# Altium PCB LimeSDR-PCIe_1v3.PcbDoc (part 6 of 10) (continued)
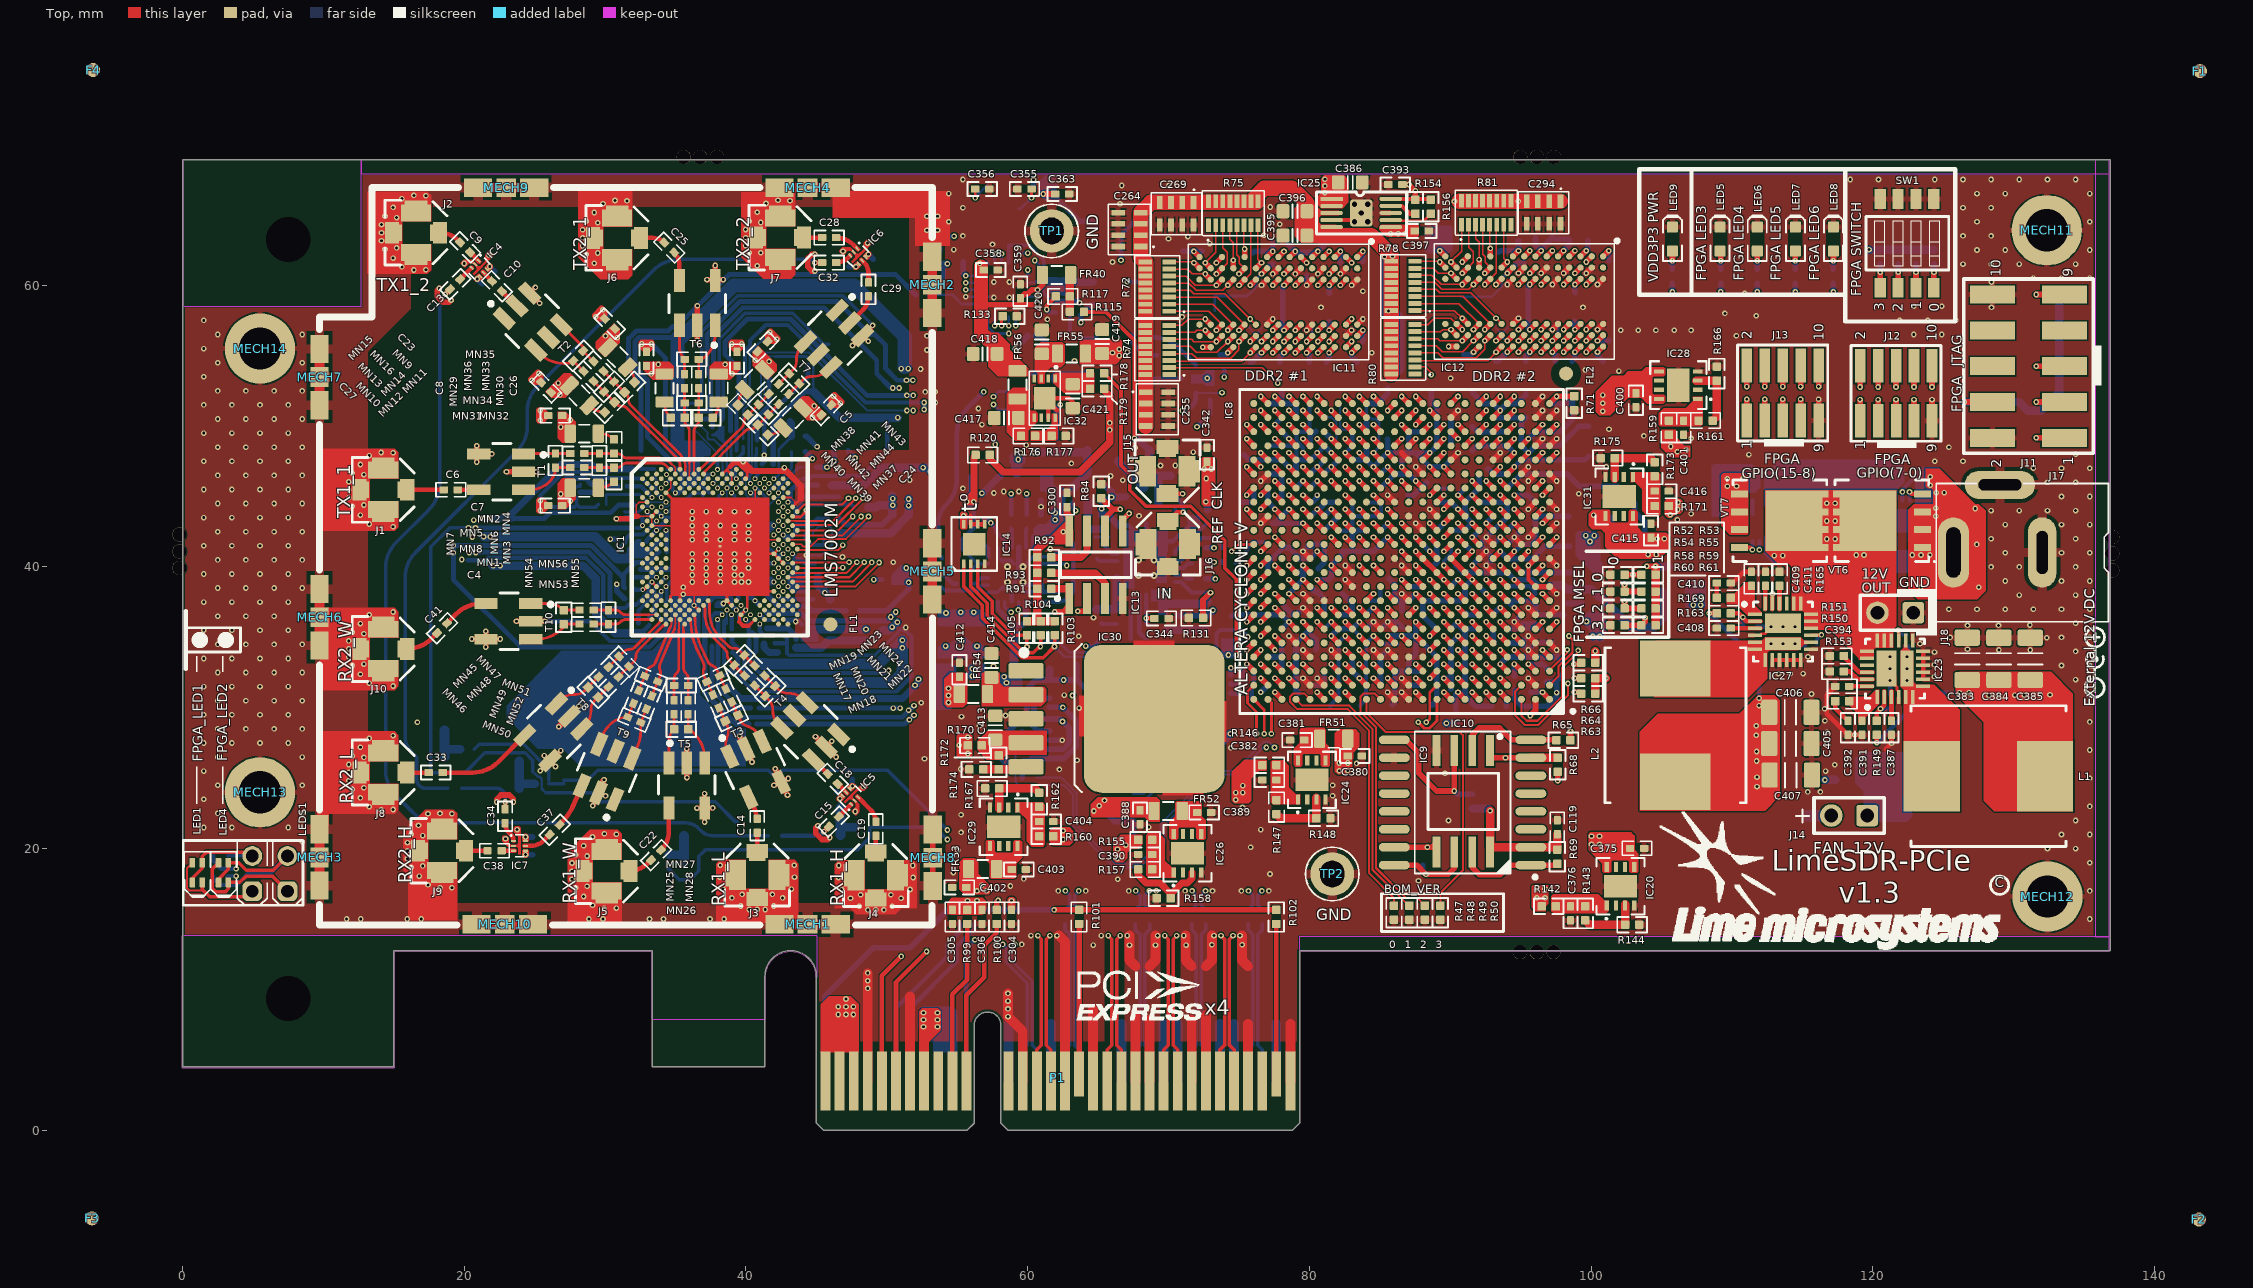
[diagram p0: Top view]
## Nets (pads, with @x,y where several pads share a name; then routed paths per layer and width w, separated by ;. In a path a pad name is that pad's centre, name@x,y a point inside that pad or via, vN(x,y) a via of type N, cw(c..) or ccw(c..) an arc to the next point about the centre after c; other vN are vias at no path point) (continued)
  Bottom w0.4: R2.1@95.725,31.1 v1(96.55,31.1)
LMS_RXEN: IC1.V34 IC8.C2 R4.2 | length 60.3
  Top w0.15: IC1.V34@43.643,41.266 43.643,41.201 46.551,41.201 v1@46.875,41.525
  Top w0.4: v1(95.55,33.1) IC8.C2@96.05,32.6
  L8 w0.1: v1@46.875,41.525 46.925,41.475 51.869,41.475 58.619,34.725 59.078,34.725 64.27,34.725 64.545,34.45 82.695,34.45 86.845,30.3 93.245,30.3 94.9,31.955 94.9,32.45 v1(95.55,33.1)
  Bottom w0.4: v1(95.55,33.1) 96.55,33.1 R4.2@96.825,32.825
  other v1: 46.875,41.55
LMS_TXEN: IC1.U29 IC8.A7 R3.2 | length 59.3
  Top w0.4: v1(90.55,31.1) IC8.A7@91.05,30.6
  L4 w0.1: v2(41.978,41.599) 41.4,41.021 41.4,37.821 42.496,36.725 48.597,36.725 50.172,35.15 57.45,35.15 60.016,32.584 72.516,32.584 74.158,34.225 74.93,34.225 75.38,33.775 76.05,33.775 76.375,33.45 76.75,33.45 77.45,32.75 84.4,32.75 85.4,31.75 89.395,31.75 90.045,31.1 v1(90.55,31.1)
  Bottom w0.4: R3.2@90.4,29.9 90.4,30.95 v1(90.55,31.1)
LMS_TXNRX1: IC1.V32 IC8.C3 R1.1 | length 58.5
  Top w0.4: v1(94.55,33.1) IC8.C3@95.05,32.6
  L4 w0.1: v2(42.977,41.266) 43.186,41.475 44.875,41.475 45.5,42.1 47.775,42.1 47.975,41.9 76.669,41.9 77.044,41.525 78.934,41.525 79.159,41.75 80.819,41.75 81.019,41.55 84.605,41.55 85.405,40.75 88.4,40.75 90.45,38.7 90.728,38.7 91.1,38.328 91.1,36.925 94.55,33.475 v1(94.55,33.1)
  Bottom w0.4: v1(94.55,33.1) 94.55,32.25 R1.1@94.575,32.225
LMS_TXNRX2: IC1.U31 IC8.A4 R10.2 | length 58.3
  Top w0.4: v1(93.55,31.1) IC8.A4@94.05,30.6
  L9 w0.1: v2(42.644,41.599) 44.137,41.599 44.279,41.456 46.144,41.456 46.525,41.075 61.05,41.075 62.35,39.775 72.2,39.775 73.225,38.75 78.95,38.75 79.25,38.45 79.725,38.45 81.425,36.75 86.8,36.75 87.125,36.425 87.72,36.425 91.395,32.75 93.395,32.75 93.9,32.245 93.9,31.45 v1(93.55,31.1)
  Bottom w0.4: v1(93.55,31.1) 93.975,30.675 R10.2@93.975,30.1
MSEL0: IC8.T6 R52.1 R53.2 | length 16.9
  Top w0.4: v1(91.55,46.1) IC8.T6@92.05,45.6 ; R52.1@102.375,39.45 v1(102.975,39.45) R53.2@103.575,39.45
  L4 w0.1: v1(91.55,46.1) 92.05,46.6 96.545,46.6 102.975,40.17 v1(102.975,39.45)
MSEL1: IC8.P5 R54.1 R55.2 | length 15.1
  Top w0.4: v1(92.55,44.1) IC8.P5@93.05,43.6 ; v1(102.375,38.75) R54.1@102.375,38.25 R55.2@103.575,38.25
  L4 w0.1: v1(92.55,44.1) 92.9,44.45 95.554,44.45 97.8,42.204 97.8,41.628 100.678,38.75 v1(102.375,38.75)
MSEL2: IC8.R5 R58.1 R59.2 | length 16.9
  Top w0.4: v1(92.55,45.1) IC8.R5@93.05,44.6 ; v1(102.375,37.55) R58.1@102.375,37.05 R59.2@103.575,37.05
  L4 w0.1: v1(92.55,45.1) 92.9,45.45 95.705,45.45 102.055,39.1 102.52,39.1 102.725,38.895 102.725,38.525 102.375,38.175 v1(102.375,37.55)
MSEL3: IC8.P4 R60.1 R61.2 | length 16
  Top w0.4: v1(93.55,44.1) IC8.P4@94.05,43.6 ; R60.1@102.375,35.85 R61.2@103.575,35.85 103.825,36.1 v1(103.825,36.4)
  L4 w0.1: v1(93.55,44.1) 94.125,44.1 94.475,43.75 95.395,43.75 102.745,36.4 v1(103.825,36.4)
NetC1_1: C1.1 IC1.C29 R6.1 | length 4.6
  Bottom w0.2: v2(41.978,46.261) 42.094,46.376 42.182,46.376 42.324,46.518 42.324,48.331 43.124,49.131 R6.1@43.124,49.206
  Bottom w0.5: C1.1@43.125,50.324 43.225,50.224 R6.1@43.225,49.275
NetC6_1: C6.1 J1.1 | length 2.7
  Top w0.325: J1.1@15.85,45.475 J1.1@15.95,45.475 C6.1@18.55,45.475
NetC6_2: C6.2 T1.4 | length 1.3
  Top w0.325: C6.2@19.55,45.475 T1.4@20.882,45.475
NetC9_1: C9.1 J2.1 | length 1.6
  Top w0.325: J2.1@18.275,63.725 cw(c18.275,61.926) 19.547,63.198 C9.1@19.705,63.04
NetC9_2: C9.2 IC4.1 | length 0.9
  Top w0.325: C9.2@20.412,62.333 IC4.1@21.075,61.67
NetC10_1: C10.1 IC4.5 | length 0.9
  Top w0.325: IC4.5@21.305,60.945 C10.1@21.968,60.282
NetC10_2: C10.2 T2.2 | length 1.9
  Top w0.325: C10.2@22.675,59.575 23.714,58.536 T2.2@23.735,58.536 T2.2@23.424,58.846
NetC13_1: C13.1 IC4.3 | length 1.1
  Top w0.325: C13.1@19.705,60.424 IC4.3@20.518,61.237
NetC13_2: C13.2 R14.1 RA1.1 RA2.2 VT2.2 | length 65.2
  Top w0.325: v1(18.641,59.359) C13.2@18.998,59.717
  Bottom w0.254: v1(18.641,59.359) ccw(c19.584,58.416) 18.25,58.416 18.25,45.877 cw(c15.71,45.877) 17.506,44.081 15.169,41.744 ccw(c16.965,39.948) 14.425,39.948 14.425,25.455 ccw(c16.73,25.455) 15.1,23.825 16.356,22.569 ccw(c18.152,24.365) 18.152,21.825 35.725,21.825 cw(c35.725,20.558) 36.621,21.454 36.843,21.232 ccw(c37.584,21.973) 37.584,20.925 RA1.1@41.574,20.925
NetC14_1: C14.1 J3.1 | length 1.6
  Top w0.325: J3.1@40.8,19.625 C14.1@40.8,21.125 ; J3.1@40.8,19.725 J3.1@40.8,19.825
NetC14_2: C14.2 T3.6 | length 1.7
  Top w0.325: T3.6@40.194,23.658 40.675,22.7 C14.2@40.8,22.125
NetC15_1: C15.1 RA1.2 RA3.2 VT1.2 | length 3.5
  Top w0.325: v1(45.529,21.21) C15.1@45.886,21.568
  Bottom w0.325: RA1.2@42.574,20.925 RA3.2@43.674,20.925 44.84,20.925 ccw(c44.84,21.899) v1(45.529,21.21)
NetC15_2: C15.2 IC5.1 | length 1.2
  Top w0.325: C15.2@46.593,22.275 IC5.1@47.464,23.145
NetC18_1: C18.1 IC5.5 | length 0.9
  Top w0.325: C18.1@46.509,24.595 IC5.5@47.172,23.932
NetC18_2: C18.2 T4.3 | length 1.5
  Top w0.325: T4.3@44.773,26.331 T4.3@44.798,26.306 ; T4.3@44.822,26.281 T4.3@44.798,26.306 ; C18.2@45.802,25.302 T4.3@44.798,26.306
NetC19_1: C19.1 J4.1 | length 1.2
  Top w0.325: J4.1@49.216,19.7 J4.1@49.216,19.8 C19.1@49.216,20.9
NetC19_2: C19.2 IC5.3 | length 2.3
  Top w0.325: IC5.3@47.897,23.702 IC5.3@47.959,23.64 48.875,22.723 cw(c48.052,21.9) C19.2@49.216,21.9
NetC22_1: C22.1 J5.1 | length 1.9
  Top w0.325: J5.1@31.6,18.4 ccw(c31.6,20.512) 33.094,19.019 C22.1@33.263,19.188
NetC22_2: C22.2 T5.6 | length 3.5
  Top w0.325: C22.2@33.97,19.895 ccw(c32.62,21.245) 34.529,21.245 T5.6@34.529,22.893 T5.6@34.529,22.516
NetC25_1: C25.1 J6.1 | length 1.8
  Top w0.325: J6.1@32.45,63.36 33.396,63.36 cw(c33.396,62.228) C25.1@34.196,63.029
NetC25_2: C25.2 T6.4 | length 2.1
  Top w0.325: C25.2@34.904,62.321 cw(c34.008,61.426) 35.274,61.426 T6.4@35.274,60.331
NetC28_1: C28.1 J7.1 | length 1.4
  Top w0.325: J7.1@44.025,63.375 J7.1@44.125,63.375 C28.1@45.4,63.375
NetC28_2: C28.2 IC6.1 | length 1.8
  Top w0.325: C28.2@46.4,63.375 cw(c46.4,61.637) 47.629,62.866 ; 47.635,62.86 47.629,62.866 ; IC6.1@47.956,62.539 47.629,62.866
NetC29_1: C29.1 IC6.5 | length 1.8
  Top w0.325: IC6.5@48.186,61.814 IC6.5@48.247,61.753 48.4,61.6 ; 48.401,61.599 cw(c47.676,60.876) 48.7,60.876 C29.1@48.7,60.2
NetC29_2: C29.2 T7.2 | length 2.4
  Top w0.325: T7.2@47.38,57.324 48.307,58.25 ccw(c47.357,59.2) 48.31,58.254 ccw(c47.357,59.2) C29.2@48.7,59.2
NetC32_1: C32.1 IC6.3 | length 1.2
  Top w0.325: C32.1@46.4,61.6 ccw(c46.4,62.79) 47.241,61.949 IC6.3@47.399,62.106
NetC32_2: C32.2 R17.1 RA4.1 RA5.2 VT4.2 | length 58.2
  Top w0.325: v1(44.894,61.6) C32.2@45.4,61.6
  Bottom w0.254: RA4.1@18.825,24.275 17.275,24.275 cw(c17.275,24.925) 16.625,24.925 VT4.2@16.625,26.475 16.295,26.805 cw(c17.49,28) 15.8,28 15.8,39.223 cw(c18.34,39.223) 16.544,41.019 23.731,48.206 ccw(c21.935,50.002) 24.475,50.002 24.475,51.048 cw(c27.015,51.048) 25.219,52.844 33.459,61.084 cw(c35.255,59.288) 35.255,61.828 44.344,61.828 cw(c44.344,61.05) v1(44.894,61.6)
NetC33_1: C33.1 J8.1 | length 1.6
  Top w0.325: J8.1@15.85,25.4 C33.1@17.475,25.4
NetC33_2: C33.2 T8.6 | length 6.8
  Top w0.325: C33.2@18.475,25.4 20.6,25.4 ccw(c20.6,27.94) 22.396,26.144 T8.6@24.3,28.048
NetC34_1: C34.1 RA4.2 RA6.2 VT3.2 | length 4.3
  Top w0.325: C34.1@22.9,22.8 v1(22.9,23.306)
  Bottom w0.254: RA4.2@19.825,24.275 RA6.2@20.925,24.275 VT3.2@21.925,24.275 22.325,24.275 cw(c22.325,23.7) 22.9,23.7 v1(22.9,23.306)
NetC34_2: C34.2 IC7.1 | length 1.4
  Top w0.325: C34.2@22.9,21.8 ccw(c23.866,21.8) 23.183,21.117 23.323,20.977 cw(c22.896,20.55) IC7.1@23.5,20.55
NetC37_1: C37.1 IC7.5 | length 2.1
  Top w0.325: IC7.5@24.262,20.2 IC7.5@24.35,20.2 24.731,20.2 ccw(c24.731,21.513) 25.659,20.584 C37.1@26.068,20.993
NetC37_2: C37.2 T9.3 | length 3.2
  Top w0.325: C37.2@26.775,21.7 27.375,22.4 27.675,22.9 T9.3@28.356,24.462
NetC38_1: C38.1 J9.1 | length 1.6
  Top w0.325: J9.1@20.025,19.85 C38.1@21.65,19.85
NetC38_2: C38.2 IC7.3 | length 0.9
  Top w0.325: C38.2@22.65,19.85 IC7.3@23.587,19.85
NetC41_1: C41.1 J10.1 | length 2.6
  Top w0.325: J10.1@15.85,34.175 15.893,34.175 ccw(c15.893,36.715) J10.1@15.95,34.175 ccw(c15.893,36.715) 17.689,34.919 C41.1@18.069,35.299
NetC41_2: C41.2 T10.6 | length 3.2
  Top w0.325: C41.2@18.776,36.006 19.433,36.663 cw(c21.229,34.867) 21.229,37.407 T10.6@21.541,37.407
NetC42_1: C42.1 IC1.D24 R20.1 | length 2.7
  Bottom w0.22: v2(40.313,45.928) 40.261,45.98 40.261,46.518 40.694,46.951 C42.1@40.694,47.931 ; C42.1@40.744,47.931 R20.1@40.744,48.446
NetC43_1: C43.1 C44.1 IC1.AH30 R21.2 | length 2.6
  Bottom w0.3: v2(42.311,37.936) 42.54,37.706 R21.2@44.774,37.706
NetC45_1: C45.1 C46.1 IC1.W33 R22.2 | length 2
  Bottom w0.3: v2(43.31,40.933) 43.449,40.794 C45.1@43.449,40.536 43.899,40.536 C46.1@44.174,40.261 ; C46.1@44.224,40.261 C46.1@44.229,40.256 R22.2@44.899,40.256
NetC47_1: C47.1 C48.1 IC1.T32 R23.2 | length 4.7
  Top w0.11: IC1.T32@42.98,41.929 44.302,41.929 v1(44.424,41.806)
  Bottom w0.11: C48.1@45.574,41.651 R23.2@45.574,42.256
  Bottom w0.25: C47.1@44.194,42.356 44.194,42.036 44.674,41.556 45.479,41.556 C48.1@45.544,41.621 ; C48.1@45.544,41.531 C48.1@45.544,41.621 ; R23.2@45.574,42.256 45.544,42.226 C48.1@45.544,41.621
NetC49_1: C49.1 C50.1 IC1.H32 R24.2 | length 3.3
  Bottom w0.35: C50.1@43.425,44.636 43.018,44.636 43.169,44.788 43.169,45.435 43.54,45.806 R24.2@45.074,45.806
  other v2: 42.977,44.596
NetC51_1: C51.1 C52.1 IC1.W31 R25.2 | length 2.6
  Bottom w0.2: C52.1@40.679,41.481 41.299,41.481 R25.2@41.374,41.556
  Bottom w0.25: R25.2@41.374,41.556 41.374,41.531 41.694,41.211 41.8,41.211 42.276,40.735 C51.1@42.276,40.629
  Bottom w0.3: C51.1@42.276,40.629 42.579,40.933 v2(42.644,40.933)
NetC53_1: C53.1 FR8.1 IC1.E21 | length 53.4
  L4 w0.7: v1(51.85,53.25) 51.75,53.35 50.156,53.35 49.775,52.969 49.775,52.431 49.803,52.403 49.775,52.375 50.9,51.25 v1@51.931,51.25
  Bottom w0.15: v2(39.314,45.595) 39.753,46.034 39.753,46.71 40.199,47.156 40.199,50.817 41.055,51.673 41.055,54.853 41.428,55.225 44.475,55.225 48.6,51.1 v1(51.425,51.1) v1(51.875,51.1) v1@51.975,51.1
  Bottom w0.35: C53.1@36.781,51.071 37.465,51.071 FR8.1@37.486,51.05 37.486,53.606 37.244,53.848 37.244,56.514 39.58,58.85 46.475,58.85 48.831,56.494 49.156,56.494 49.912,55.738 49.912,54.088 50.75,53.25 v1(51.4,53.25) v1(51.85,53.25)
NetC54_1: C54.1 FR7.1 IC1.D16 | length 7
  Bottom w0.15: C54.1@36.063,51.05 36.063,50.748 FR7.1@36.325,50.486 36.325,50.474 37.275,49.523 37.275,49.153 37.377,49.05 37.725,49.05 38.332,48.443 38.332,46.607
  Bottom w0.17: v2(37.65,45.925) 38.332,46.607 38.342,46.617 38.342,47.076 38.336,47.082
NetC55_1: C55.1 FR6.1 IC1.E17 | length 4.7
  Bottom w0.2: FR6.1@37.625,49.375 37.83,49.375 C55.1@38.275,49.82 ; v2(37.982,45.595) 38.632,46.245 38.632,48.643 38.225,49.05
NetC56_1: C56.1 FR5.1 IC1.AK22 | length 13.9
  L4 w0.35: v2(39.647,37.27) 39.764,37.387 40.226,37.387 40.46,37.153 41.322,37.153 42.9,35.575 v1(48.525,35.575)
  Bottom w0.6: 44.55,35.05 45.075,35.575 v1(48.525,35.575)
NetC57_1: C57.1 FR4.1 IC1.AM18 | length 2.3
  Bottom w0.31: FR4.1@37.549,35.061 37.549,36.456 37.799,36.706 38.212,36.706 v2(38.315,36.604)
NetC58_1: C58.1 FR3.2 IC1.AE3 IC1.AF4 | length 4.5
  Top w0.2: v2(33.32,38.935) IC1.AF4@33.653,38.602
  Bottom w0.3: FR3.2@30.27,37.086 31.149,37.086 31.429,37.086 31.649,37.306 32.208,37.306 32.724,37.823 ; 32.75,37.856 33.099,38.205 33.099,38.714 v2(33.32,38.935)
NetC59_1: C59.1 FR2.2 IC1.N1 | length 1.1
  Bottom w0.3: FR2.2@32.231,42.769 32.492,42.769 v2(32.654,42.931) 32.654,43.456 C59.1@32.604,43.506
NetC60_1: C60.1 FR1.1 IC1.G3 | length 2.1
  Bottom w0.3: FR1.1@31.524,45.726 32.538,45.726 33.32,44.944 v2(33.32,44.929)
NetC61_1: C61.1 FR9.2 IC1.H6 | length 5.2
  Bottom w0.11: 33.029,44.596 v2(34.319,44.596)
  Bottom w0.2: C61.1@30.079,44.431 30.079,45.146 FR9.2@30.075,45.15 32.475,45.15 33.029,44.596
NetC62_1: C62.1 FR9.1 R26.1 | length 1.4
  Bottom w0.4: C62.1@28.231,45.296 28.238,45.303 29.046,45.303 29.362,45.303 FR9.1@29.515,45.15
NetC63_1: C63.1 FR10.1 IC1.AM26 | length 1.4
  Bottom w0.3: v2(40.979,36.604) 41.346,36.236 FR10.1@41.499,36.236 C63.1@42.274,36.236
NetC64_1: C64.1 FR10.2 R27.2 | length 2.5
  Bottom w0.4: FR10.2@41.474,35.626 43.004,35.626 43.574,35.056 R27.2@43.574,34.861
NetC65_1: C65.1 C66.1 IC1.R31 R31.1 | length 4.1
  Bottom w0.35: v2(42.644,42.265) 42.777,42.131
  Bottom w0.37: 42.777,42.131 42.792,42.116 43.209,42.116 43.524,42.431 C65.1@43.524,42.984 44.701,42.984 45.124,43.406 R31.1@45.824,43.406
NetC67_1: C67.1 C68.1 IC1.L33 R30.1 | length 5
  Top w0.2: IC1.L33@43.31,43.597 43.31,43.555 43.88,43.555 44.275,43.95 v1(44.275,44.025)
  Bottom w0.3: v1(44.275,44.025) 44.449,44.199 C67.1@44.449,44.426 45.224,44.426 45.949,44.426 45.95,44.425 47.461,44.425 47.463,44.426 47.499,44.426 R30.1@47.675,44.25
NetC69_1: C69.1 C70.1 IC1.AA29 R29.1 | length 12.7
  L8 w0.35: v2(41.978,40.267) 41.978,40.237 41.528,39.787 41.528,38.082 42.125,37.486 46.661,37.486 48.275,39.1 v1(49.075,39.1)
  Bottom w0.3: C69.1@40.699,40.276 40.709,40.267 v2(41.978,40.267)
  Bottom w0.35: v1(49.075,39.1) R29.1@49.65,39.1
NetC71_1: C71.1 C72.1 IC1.AE29 R28.1 | length 8.7
  Bottom w0.3: C71.1@40.699,39.176 41.736,39.176 v2(41.978,38.935)
  Bottom w0.4: 41.124,39.106 41.124,38.406 42.319,37.211 44.319,37.211 44.63,36.9 R28.1@47.1,36.9
NetC73_1: C73.1 FR15.1 IC1.A17 | length 1.3
  Bottom w0.25: FR15.1@37.199,47.401 C73.1@37.974,47.401 37.982,47.393 v2(37.982,46.927)
NetC74_1: C74.1 FR14.2 IC1.F24 | length 1.6
  Bottom w0.3: v2(40.313,45.262) 40.378,45.262 40.833,44.806 C74.1@40.919,44.806 FR14.2@40.919,44.031
NetC75_1: C75.1 FR13.2 IC1.C25 | length 1.4
  Bottom w0.25: v2(40.646,46.261) 40.646,46.348 41.024,46.726 FR13.2@41.824,46.726
NetC76_1: C76.1 FR12.2 IC1.M4 | length 3.6
  Bottom w0.3: FR12.2@31.169,41.206 31.169,41.494 31.429,41.754 C76.1@31.429,41.956 31.779,42.306 32.696,42.306 v2(33.653,43.264)
NetC77_1: C77.1 FR11.2 IC1.AL21 | length 13.4
  Bottom w0.35: 38.924,37.781 38.924,37.327 v2(39.314,36.937)
  Bottom w0.4: 38.894,37.731 38.719,37.906 37.773,37.906 37.074,37.207 37.074,31.051 39.037,29.088 39.067,29.088 39.304,28.85 FR11.2@40.175,28.85
NetC78_1: C78.1 FR27.1 IC1.F8 R38.1 | length 3.4
  Bottom w0.25: R38.1@34.799,45.751 34.799,45.448 v2(34.985,45.262)
  Bottom w0.3: FR27.1@34.424,46.976 C78.1@35.175,46.976
  Bottom w0.35: v2(34.985,45.262) 35.204,45.262 35.449,45.506 35.449,46.701 C78.1@35.2,46.951
NetC79_1: C79.1 FR26.1 IC1.B16 | length 2.4
  Bottom w0.25: C79.1@37.531,45.256 37.369,45.256 36.794,45.831 36.794,45.951 37.129,46.286 FR26.1@37.129,46.581 37.637,46.581 v2(37.649,46.594)
NetC80_1: C80.1 FR25.1 IC1.E19 | length 4.4
  Bottom w0.11: C80.1@38.648,44.781 v2(38.648,45.595)
  Bottom w0.15: v2@38.594,45.649 v2(38.648,45.595)
  Bottom w0.2: v2(38.648,45.595) 38.932,45.879 FR25.1@38.932,48.968
NetC81_1: C81.1 IC1.F20 R37.2 | length 1.4
  Bottom w0.25: v2(38.981,45.262) 39.219,45.024 39.219,44.561 R37.2@39.674,44.106
NetC82_1: C82.1 FR24.1 IC1.AJ25 | length 1
  Bottom w0.35: C82.1@40.142,37.831 40.417,37.831 v2(40.646,37.603) 40.653,37.603 FR24.1@40.926,37.329
NetC83_1: C83.1 FR23.1 IC1.AP26 | length 1.7
  Bottom w0.3: v2(40.979,35.938) 40.979,35.431 FR23.1@41.274,35.136 C83.1@42.049,35.136
NetC84_1: C84.1 FR23.2 R36.2 | length 1.4
  Bottom w0.5: FR23.2@41.274,34.531 41.274,34.281 R36.2@41.624,33.931 C84.1@42.249,33.931
NetC85_1: C85.1 FR22.1 IC1.AN23 | length 2.7
  Bottom w0.3: v2(39.98,36.271) 40.199,36.052 C85.1@40.199,35.336
  Bottom w0.35: C85.1@40.224,35.336 40.473,35.336 40.724,35.085 FR22.1@40.724,33.981
NetC86_1: C86.1 FR21.1 IC1.AM20 | length 1
  Bottom w0.3: FR21.1@38.994,35.556 v2@38.994,36.591
  other v2: 38.981,36.604
NetC87_1: C87.1 IC1.AL19 R35.2 | length 3.5
  Bottom w0.11: v2(38.648,36.937) 38.649,36.331
  Bottom w0.3: C87.1@38.444,33.156 38.444,35.926 38.504,35.986
NetC88_1: C88.1 FR20.2 IC1.AG5 | length 2.7
  Bottom w0.35: FR20.2@33.134,36.421 33.549,36.836 ; C88.1@33.839,36.421 33.549,36.711 33.549,36.836 ; v2@33.974,38.281 33.924,38.231 33.924,37.856 33.874,37.806 33.866,37.806 33.549,37.489 33.549,37.481 33.549,36.836
  other v2: 33.986,38.269
NetC89_1: C89.1 FR19.2 IC1.AD6 | length 3.8
  Bottom w0.3: 32.379,36.912 33.124,37.657 33.124,37.665 33.499,38.04 33.499,38.448 v2(34.319,39.268)
  Bottom w0.35: FR19.2@32.379,36.025 C89.1@32.379,36.706
NetC90_1: C90.1 FR18.2 IC1.P4 | length 1.7
  Bottom w0.35: FR18.2@32.956,41.794 32.956,41.901 v2(33.653,42.598) 34.104,43.049 C90.1@34.119,43.049
NetC91_1: C91.1 IC1.J3 R34.1 | length 2.2
  Bottom w0.19: R34.1@32.604,44.281 32.622,44.3 33.283,44.3 v2(33.32,44.263)
  Bottom w0.2: C91.1@31.375,43.925 31.394,43.906 32.381,43.906 32.604,44.129 R34.1@32.604,44.281
NetC92_2: C92.2 FR17.2 IC1.K6 R33.2 | length 3.3
  Bottom w0.27: v2(34.319,43.93) 34.53,43.93 34.691,44.091 35.161,44.091 35.529,44.459 35.529,44.556 35.529,44.563 FR17.2@36.199,45.233 36.827,45.233 C92.2@36.949,45.111
NetC93_1: C93.1 FR16.2 IC1.G5 | length 1.7
  Bottom w0.2: FR16.2@33.476,46.389 33.606,46.259 33.606,45.343 C93.1@33.572,45.343
  Bottom w0.3: C93.1@33.572,45.343 v2(33.986,44.929)
NetC94_1: C94.1 FR16.1 R32.1 | length 1.6
  Bottom w0.3: R32.1@32.55,46.946 32.553,46.949 FR16.1@33.476,46.949 ; R32.1@32.554,47.016 C94.1@32.554,47.706
NetC95_1: C95.1 FR35.1 IC1.C21 | length 2.5
  Bottom w0.24: v2(39.314,46.261) 39.252,46.323 39.252,47.604 FR35.1@39.349,47.701
  Bottom w0.25: FR35.1@39.349,47.701 39.407,47.701 39.794,48.088 C95.1@39.794,48.519
NetC96_1: C96.1 FR33.1 IC1.AF2 | length 1.8
  Top w0.2: v2(32.674,38.381) 32.767,38.381 IC1.AF2@32.987,38.602
  Bottom w0.3: C96.1@31.954,37.856 31.954,38.506 32.02,38.506 32.145,38.381 v2(32.674,38.381)
NetC97_1: C97.1 FR32.1 IC1.AD4 | length 1.8
  Bottom w0.3: FR32.1@31.974,39.276 31.983,39.268 33.052,39.268 33.144,39.36 33.496,39.36 33.588,39.268 v2(33.653,39.268)
NetC98_1: C98.1 FR28.2 FR29.2 IC1.L5 R39.2 | length 4.2
  L4 w0.35: v2(33.986,43.597) 34.319,43.264 v2(34.319,42.598)
  Bottom w0.3: R39.2@33.701,43.929 33.986,43.644 v2(33.986,43.597) 34.078,43.505 34.767,43.505 C98.1@34.944,43.681
  Bottom w0.35: v2(34.319,42.598) 34.375,42.542 FR28.2@34.375,41.05
NetC99_1: C99.1 FR34.1 IC1.AF6 | length 1.9
  Bottom w0.25: FR34.1@34.274,37.481 34.386,37.593 34.386,38.535 v2(34.319,38.602) 34.749,39.031 C99.1@34.794,39.031 ; FR34.1@34.319,37.516 FR34.1@34.324,37.511
NetC100_1: C100.1 FR30.1 FR31.1 IC1.AN17 | length 7.9
  Bottom w0.34: v2(37.982,36.271) 38.024,36.229 FR30.1@38.024,31.506 ; FR30.1@38.032,31.593 38.032,31.423 39.48,29.975 FR31.1@40.345,29.975
NetC312_1: C312.1 C313.2 R111.2 | length 2.4
  Bottom w0.325: R111.2@52.85,39.6 53.875,39.6 54.675,38.8 C313.2@54.95,38.8
NetC312_2: C312.2 R107.1 R109.2 R112.1 R114.1 R116.1 | length 29.1
  L10 w0.1: v1(56.875,52.425) 57.106,52.656 cw(c58.902,50.86) 58.902,53.4 v1(72.75,53.4)
  Bottom w0.325: C312.2@53.9,40.625 cw(c54.504,41.229) 53.65,41.229 53.65,43.125 cw(c55.4,43.125) 54.163,44.363 54.231,44.431 ccw(c52.435,46.227) 54.975,46.227 54.975,49.473 cw(c57.515,49.473) 55.719,51.269 v1(56.875,52.425)
NetC313_1: C313.1 IC16.21 | length 1.4
  Bottom w0.25: C313.1@55.95,38.8 56.275,38.8 56.687,39.212 IC16.21@57.2,39.212
NetC314_2: C314.2 IC16.20 | length 3.6
  Bottom w0.25: C314.2@53.875,38.6 54.15,38.325 56.4,38.325 56.787,38.712 IC16.20@57.2,38.712
NetC317_2: C317.2 C318.2 R108.2 R115.1 XO1.5 XO2.4 | length 17.5
  Top w0.3: R115.1@64,58.1 65.55,58.1 67.575,56.075 v1(67.575,49.136)
  Bottom w0.5: v1(67.575,49.136) 67.789,49.136 XO1.5@68.625,48.3
  Bottom w0.6: XO1.5@68.625,48.3 68.625,46.95 69.275,46.3 R108.2@69.275,45.625 C318.2@69.275,44.575 ; 69.45,46.475 C317.2@70.175,46.475
NetC323_2: C323.2 C324.2 R119.2 XO3.9 | length 3.5
  Bottom w0.3: R119.2@63,58.075 C323.2@63,57.15 63,56.675 C324.2@63.425,56.25 64.825,56.25 XO3.9@64.875,56.3
NetC325_2: C325.2 XO3.7 | length 2.7
  Bottom w0.3: XO3.7@67.4,56.475 67.4,55.925 68.3,55.025 C325.2@69.225,55.025
NetC334_2: C334.2 FR44.2 R121.2
NetC335_1: C335.1 FR45.2 IC17.4 | length 1.9
  Bottom w0.4: FR45.2@72.525,29.101 72.525,29.871 72.511,29.885 72.511,31.011 IC17.4@72.525,31.025
NetC336_1: C336.1 IC18.5 | length 1.4
  Bottom w0.3: C336.1@65.3,41.625 66,40.925 IC18.5@66.375,40.925
NetC336_2: C336.2 C337.1 R123.2 | length 2.1
  Bottom w0.5: C337.1@64.25,41.625 64.25,42.625 R123.2@64.25,42.675 65.25,42.675 C336.2@65.3,42.625
NetC339_2: C339.2 C340.1 C341.1 FR46.2 IC18.6 IC18.7 | length 17.9
  L3 w0.1: v1(65.25,44.125) 65.95,44.125 v1(73.15,36.925)
  Bottom w0.3: FR46.2@66.95,42.95 67.175,42.95 67.425,42.7 IC18.6@67.425,41.825 IC18.7@67.925,41.825
  Bottom w0.4: C340.1@70.625,36.55 C341.1@72.625,36.55
  Bottom w0.5: v1@65.25,44.075 C339.2@65.25,43.675 65.725,43.675 66.45,42.95 FR46.2@66.95,42.95 ; C341.1@72.625,36.55 72.775,36.55 v1(73.15,36.925)
NetC344_2: C344.2 C345.1 IC18.18 R124.1 | length 2.8
  Top w0.3: v1(68.425,36.35) C344.2@69,36.35
  Bottom w0.3: IC18.18@68.425,38.025 68.425,36.025 C345.1@68.6,35.85
NetC346_1: C346.1 C347.2 R130.2 | length 2
  Bottom w0.3: C346.1@69.45,43.1 R130.2@70.5,43.1 C347.2@70.5,44.05
NetC346_2: C346.2 IC18.8 | length 1.2
  Bottom w0.3: IC18.8@68.425,41.825 C346.2@68.425,43.075
NetC348_2: C348.2 R127.2 R129.1 | length 13
  L5 w0.1: v1(63.4,44) 64.125,43.275 v1(64.125,34.375)
  Bottom w0.325: R129.1@63.165,44.582 63.165,44.569 ccw(c63.969,44.569) v1(63.4,44) ; v1(64.125,34.375) 64.675,34.375 C348.2@65.25,34.95 R127.2@66.3,34.95
NetC349_1: C349.1 R134.2 | length 1.1
  Bottom w0.3: R134.2@65.225,36 65.275,35.95 C349.1@66.325,35.95
NetC349_2: C349.2 C350.2 IC18.20 R127.1 | length 3.2
  Bottom w0.3: R127.1@67.325,34.9 C349.2@67.325,35.95 C350.2@67.325,36.95 67.425,37.05 IC18.20@67.425,38.025
NetC351_1: C351.1 IC18.4 | length 1.5
  Bottom w0.3: C351.1@64.925,40.575 65.075,40.425 IC18.4@66.375,40.425
NetC352_2: C352.2 IC18.12 R135.2 | length 4.5
  Bottom w0.3: IC18.12@70.475,40.425 70.85,40.425 71.65,41.225 R135.2@71.65,41.35 72.35,42.05 73.275,42.05 73.8,41.525 C352.2@73.8,41.35
NetC360_2: C360.2 C361.1 FR47.2 XO4.4 | length 2.7
  Bottom w0.6: C360.2@61.926,60.25 XO4.4@64.625,60.25
NetC362_2: C362.2 C363.1 FR48.2 XO5.4 | length 4.4
  Top w0.4: v1(61.1,66.475) 61.946,66.475 C363.1@61.948,66.476
  Bottom w0.4: C362.2@61.823,66.399 63.674,64.548 XO5.4@64.626,64.548
NetC364_2: C364.2 C365.1 FR49.2 XO6.1 XO6.6 | length 5.4
  Bottom w0.4: XO6.6@58.65,53.74 XO6.1@60.5,53.74 61.35,54.59 C365.1@61.35,54.875 C364.2@61.35,55.875 60.825,56.4 FR49.2@60.535,56.4
NetC374_1: C374.1 IC22.2 J17.1 R139.2 VD1.1 VT6.1 VT6.2 VT6.3 | length 4.2
  Bottom w0.3: IC22.2@122.1,44.71 v1(122.1,45.325) 122.1,45.496 122.929,46.325 R139.2@123.425,46.325
  Bottom w0.6: J17.1@125.725,41.025 C374.1@127.45,41.025
  other v1: 123.4,38.55 127.525,38.55 122.8,40.85 123.425,40.85 124.05,40.85 127.375,41.6 124.475,43.6 127.275,44.15 124.475,44.175 124.5,45.275 125.075,45.275 124.075,45.8 124.075,46.4
NetC376_2: C376.2 IC20.1 R142.2 R143.2 | length 1.4
  Top w0.6: 99.575,16.275 100.562,16.275 100.837,16
NetC378_1: C378.1 IC23.15 | length 1.4
  Top w0.25: IC23.15@121.824,34.776 v1@121.824,35.451
  Bottom w0.25: v1(121.799,35.501) 122.124,35.176 C378.1@122.424,35.176
NetC378_2: C378.2 IC23.5 IC23.6 IC23.7 IC23.14 IC23.26 L1.1
  other v3: 122.424,31.926 122.424,32.776 122.424,33.626
NetC381_2: C381.2 FR51.2 IC24.5 IC24.8
NetC382_2: C382.2 IC24.1 R146.2 R147.2 | length 1.4
  Top w0.6: 77.663,23.825 78.65,23.825 78.925,23.55
NetC387_1: C387.1 IC23.3 | length 2.1
  Top w0.325: C387.1@121.324,29.076 IC23.3@121.324,31.176
NetC389_2: C389.2 FR52.2 IC26.5 IC26.8
NetC390_2: C390.2 IC26.1 R155.2 R157.1 | length 1.4
  Top w0.6: R157.1@68.838,18.625 69.825,18.625 70.1,18.35
NetC391_1: C391.1 IC23.1 R153.2
NetC392_1: C392.1 R153.1 | length 1.8
  Top w0.325: R153.1@117.324,30.476 117.324,29.976 C392.1@118.224,29.076
NetC394_1: C394.1 IC23.24 | length 1.7
  Top w0.325: C394.1@118.324,31.526 IC23.24@119.974,31.526
NetC398_1: C398.1 IC27.15 | length 1.5
  Top w0.25: IC27.15@115.625,35.15 116.325,35.15 v1(116.35,35.175)
  Bottom w0.25: C398.1@116.025,34.55 116.025,34.85 v1(116.35,35.175)
NetC398_2: C398.2 IC27.5 IC27.6 IC27.7 IC27.14 IC27.26 L2.1
  other v3: 112.775,34.55 113.625,34.55 114.475,34.55
NetC401_2: C401.2 IC28.1 R159.2 R161.2 | length 1.4
  Top w0.6: 107.25,50.388 107.25,51.375 107.525,51.65
NetC403_2: C403.2 FR53.2 IC29.5 IC29.8
NetC404_2: C404.2 IC29.1 R160.2 R162.2 | length 1.4
  Top w0.6: 59.55,22.875 59.825,22.6 60.812,22.6
NetC408_1: C408.1 IC27.3 | length 2.1
  Top w0.325: C408.1@109.925,35.65 IC27.3@112.025,35.65
NetC409_1: C409.1 IC27.1 R169.2
NetC410_1: C410.1 R169.1 | length 0.9
  Top w0.325: R169.1@108.925,37.893 C410.1@108.925,38.75
NetC411_1: C411.1 IC27.24 | length 1.7
  Top w0.325: IC27.24@112.375,37 C411.1@112.375,38.65
NetC413_2: C413.2 IC30.4 R170.2 R172.1
NetC414_2: C414.2 FR54.2 IC30.2
NetC416_2: C416.2 IC31.1 R171.2 R173.2 | length 1.4
  Top w0.6: 103.25,46.325 103.525,46.05 104.512,46.05
NetC417_2: C417.2 FR56.1 IC32.5 R176.1
NetC420_2: C420.2 FR55.2 IC32.3
NetC421_2: C421.2 IC32.1 R178.2 R179.1
NetFR40_2: FR40.2 R115.2 R117.1 | length 2.6
  Top w0.6: R115.2@63,58.075 63,59.175 FR40.2@63,60.675
NetFR44_1: FR44.1 IC17.6 | length 3.1
  Bottom w0.4: FR44.1@70.6,30.354 70.6,30.604 71.575,31.579 71.575,32 71.9,32.325 IC17.6@72.525,32.325
NetIC1_D6: IC1.D6 R38.2 | length 0.6
  Bottom w0.25: v2(34.319,45.928) 34.703,46.311 R38.2@34.799,46.311
NetIC1_D28: IC1.D28 R9.1 | length 6
  L5 w0.1: v2(41.645,45.928) 44.028,45.928 45.6,47.5 v1(46.25,47.5)
  Bottom w0.4: v1(46.25,47.5) R9.1@46.25,48.225
NetIC1_F18: IC1.F18 R11.1 | length 2.2
  Bottom w0.25: R11.1@37.745,43.36 37.694,43.411 37.694,44.144 38.077,44.527 38.077,45.023 v2(38.315,45.262)
NetIC1_F28: IC1.F28 R8.1 | length 3.6
  Bottom w0.2: v2(41.645,45.262) 41.645,45.397 43.225,46.977 R8.1@43.225,48.175
NetIC1_F30: IC1.F30 R7.1 | length 2.7
  Bottom w0.2: v2(42.311,45.262) 42.311,45.639 43.747,47.075 R7.1@44.025,47.075
NetIC1_J5: IC1.J5 R33.1 | length 1.1
  Bottom w0.11: v2(33.986,44.263) 34.453,44.263 34.746,44.556 R33.1@34.969,44.556
NetIC1_K2: IC1.K2 R39.1 | length 0.5
  Bottom w0.3: v2(32.987,43.93) 32.987,43.822 R39.1@33.251,43.558 ; R39.1@33.276,43.533 R39.1@33.251,43.558 ; R39.1@33.276,43.558 R39.1@33.251,43.558
NetIC8_A2: IC8.A2 R46.2 | length 46.2
  Top w0.4: v1(95.675,29.45) 96.05,29.825 IC8.A2@96.05,30.6
  L8 w0.1: v1(77.525,27.175) 77.525,27.45 78.5,28.425 88.528,28.425 90.003,29.9 95.225,29.9 v1(95.675,29.45)
  Bottom w0.15: R46.2@60.625,25.05 62.375,25.05 63.475,23.95 63.475,21.67 66.22,18.925 67.9,18.925 69.45,20.475 69.45,21.754 73.196,25.5 74.696,25.5 76.746,27.55 77.15,27.55 v1(77.525,27.175)
NetIC8_A13: IC8.A13 R49.2 | length 18.9
  Top w0.15: IC8.A13@85.05,30.6 84.625,31.025 83.874,31.025 83.625,30.776 83.625,29.707 84.725,28.607 84.725,18.625 86.85,16.5 87.65,16.5 R49.2@88.2,15.95
NetIC8_A14: IC8.A14 R50.2 | length 21.2
  Top w0.15: IC8.A14@84.05,30.6 84.05,29.636 85.411,28.275 90.675,28.275 90.9,28.05 90.9,18.45 89.3,16.85 R50.2@89.3,15.95
NetIC8_A18: IC8.A18 R47.2 | length 21.7
  Top w0.15: IC8.A18@80.05,30.6 79.625,31.025 78.874,31.025 78.625,30.776 78.625,30.424 79.149,29.9 82.725,29.9 84.225,28.4 84.225,18.275 86.002,16.498 R47.2@86.002,15.952
NetIC8_A19: IC8.A19 R48.2 | length 20
  Top w0.15: IC8.A19@79.05,30.6 79.5,30.15 82.829,30.15 84.475,28.504 84.475,18.521 87.046,15.95 R48.2@87.1,15.95
NetIC8_AB1: IC8.AB1 R71.1 | length 2
  Top w0.4: IC8.AB1@97.05,51.6 v1(97.55,52.1) 97.575,52.125 R71.1@98.8,52.125
NetIC8_F16: IC8.F16 R44.1 | length 1.4
  Top w0.4: v1(81.55,36.1) IC8.F16@82.05,35.6
  Bottom w0.3: R44.1@81.05,35.6 v1(81.55,36.1)